# Altium PCB ZYNQ-7000_SOM_Bd.PcbDoc (part 2 of 6)
Units mm, origin at the board's own origin, x right, y up, seen from the top; angles counter-clockwise.
Board outline 69.6 x 45 mm, 8 copper layers (L1 (Sig), L2 (GND), L3 (PWR), L4 (Sig), L5 (GND), L6 (Sig), L7 (GND), L8 (Sig)), stack 1.188 mm thick; 246 components, 201 nets, 1392 pads, 883 vias.
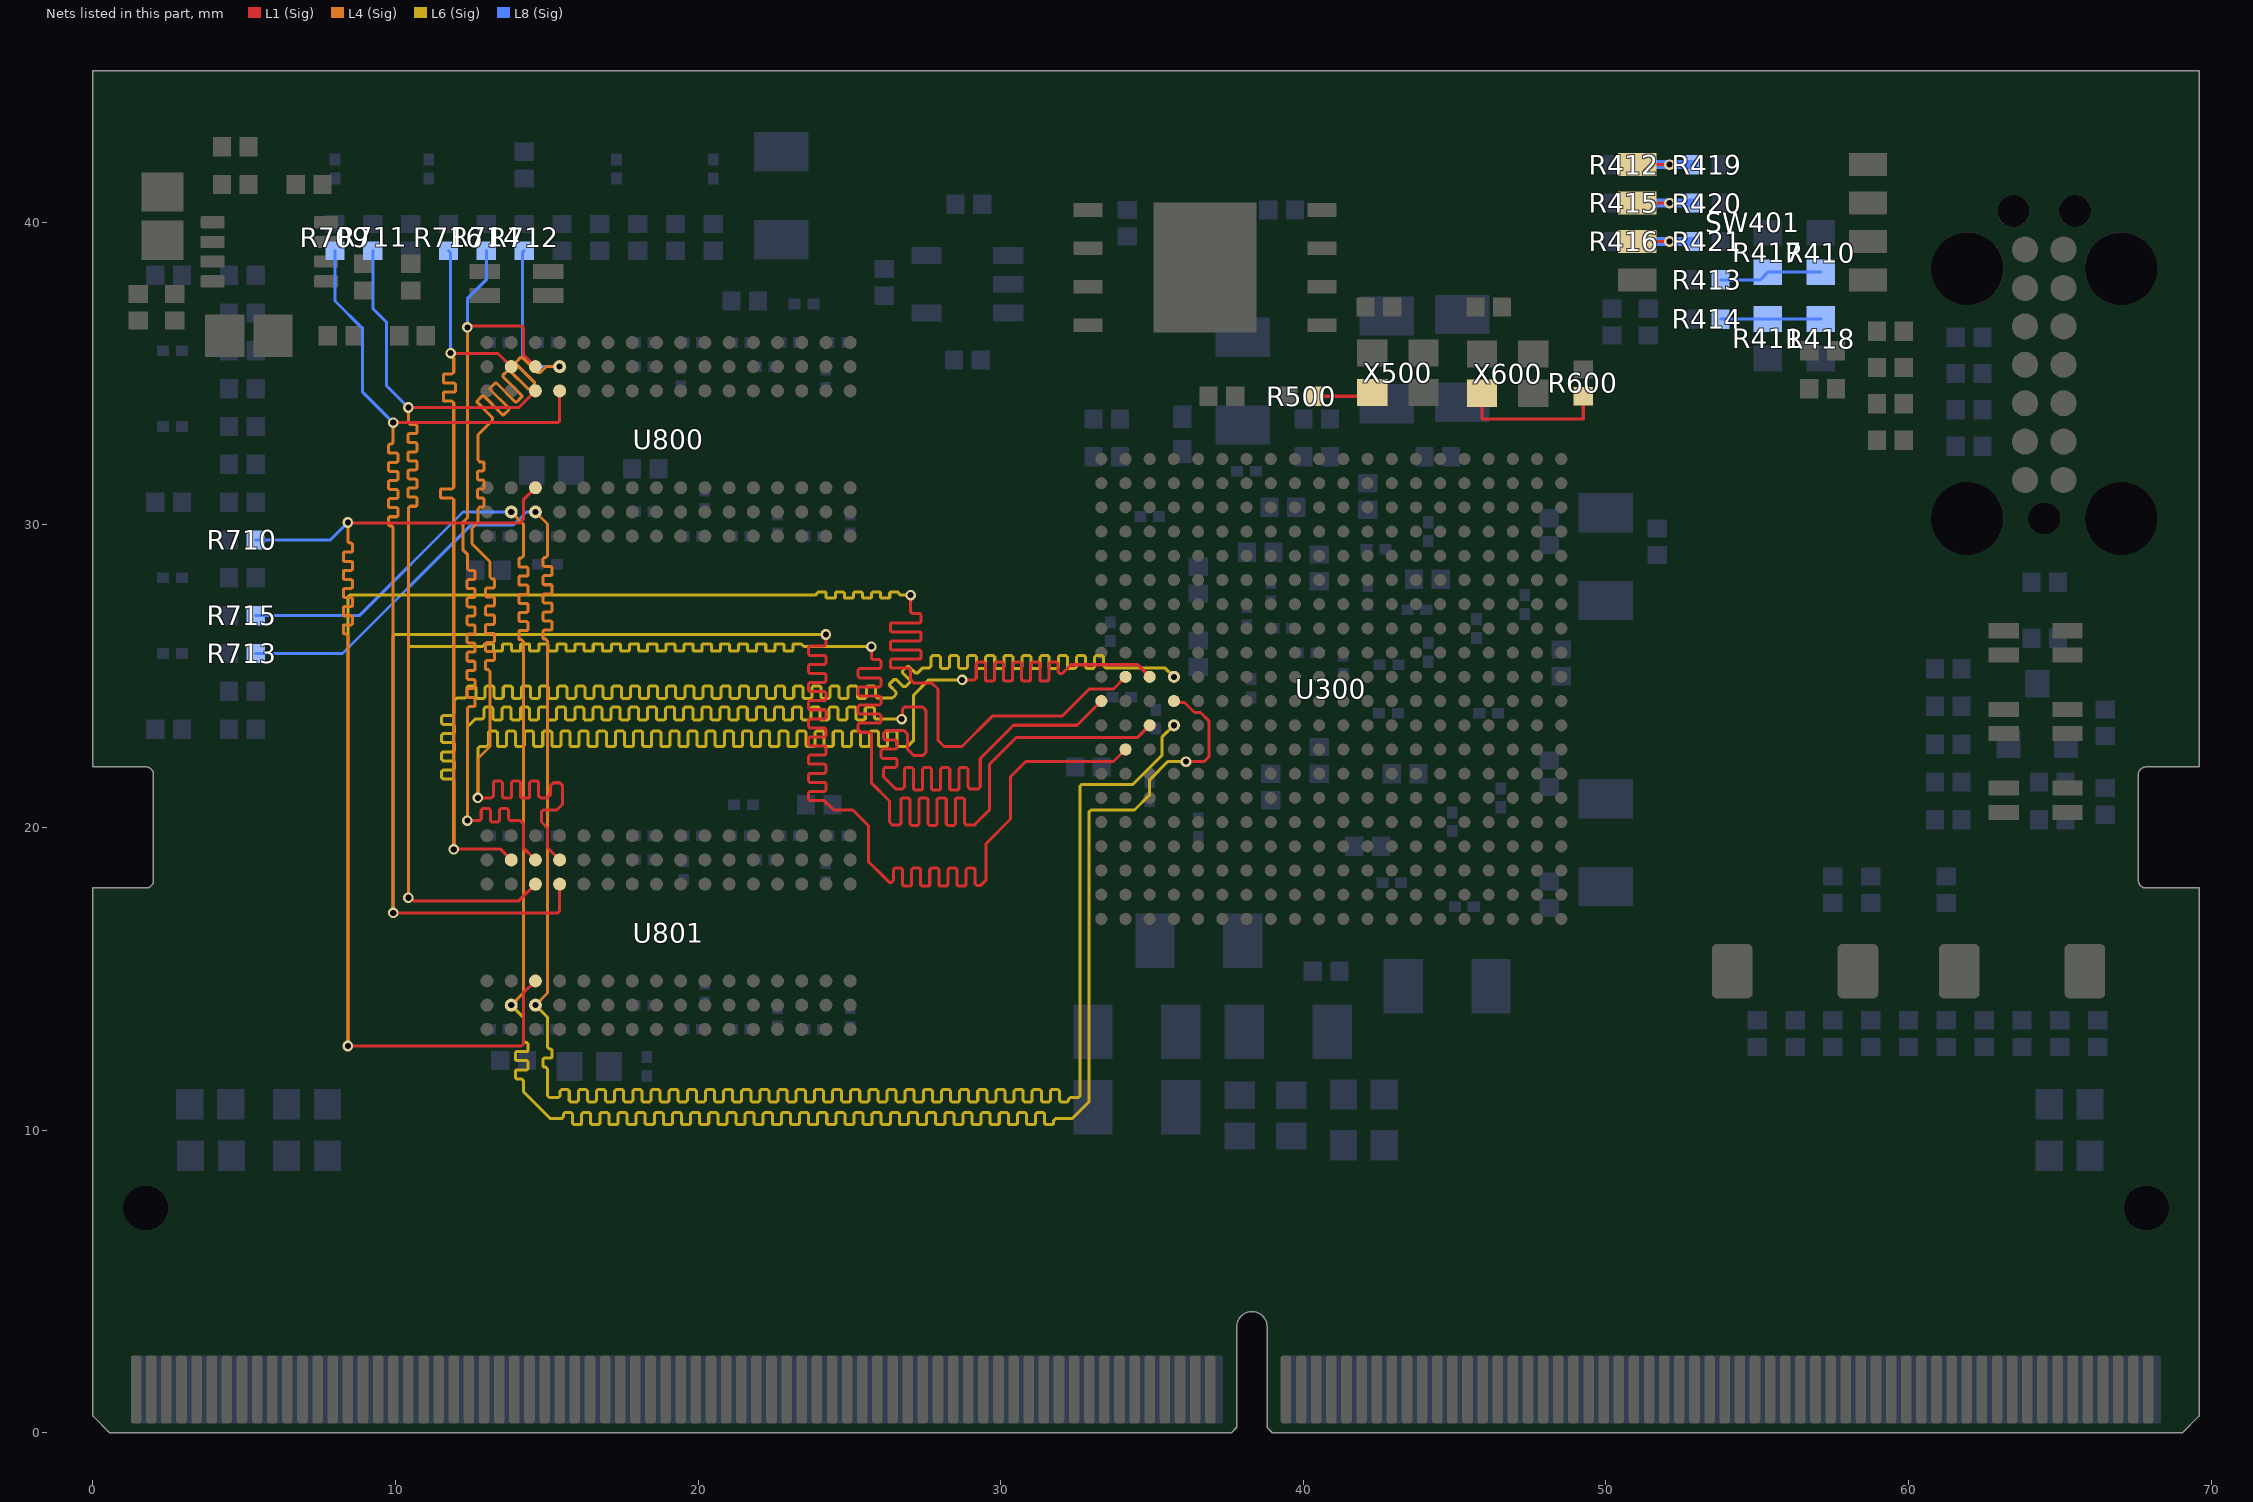
[diagram p8: the nets of this part, all layers, seen from the top]

## Part data
C300 C302 C303 C306 C307 C308 C313 C314 C315 C316 C319 C320 C321 C322 C327 C328 C333 C338 C339 C340 C341 C342 C343 C344 C345 C704 C705 C706 C707 C803 C814 C827 C838: library part CAP_470nF/6.3V/0603, "6.3V 470nF X5R ±10% 0201  Multilayer Ceramic Capacitors MLCC - SMD/SMT ROHS", JLCPCB Part Type="Extended Part", LCSC Part #=C85926
C301 C305 C309 C312 C317 C323 C326 C329 C332 C336 C337 C346 C347 C505 C601 C708 C709 C710 C711 C713 C717 C718 C719 C802 C813 C826 C837: library part CAP_4.7uF/10V/1005, "10V 4.7uF X5R ±20% 0402  Multilayer Ceramic Capacitors MLCC - SMD/SMT ROHS", JLCPCB Part Type="Basic Part", LCSC Part #=C23733
C304 C310 C311 C318 C324 C325 C330 C331 C334 C335 C348: library part CAP_100uF/6.3V/3216, "Ceramic CAP_100uF/6.3V/3216", JLCPCB Part Type="Basic Part", LCSC Part #=C15008
C400 C401 C500 C501 C502 C503 C504 C600: library part CAP_100nF/16V/1005, "Ceramic CAP_100nF/16V/1005", JLCPCB Part Type="Basic Part", LCSC Part #=C1525
C700 C701 C702 C703 C715 C716 C800 C801 C804 C805 C806 C807 C808 C809 C810 C811 C812 C815 C816 C817 C818 C819 C820 C821 C822 C823 C824 C825 C828 C829 C830 C831 C832 C833 C834 C835 C836 C839 C840 C841 C842 C843 C844 C845 C846 C847: library part CAP_47nF/16V/0603, "16V 47nF X5R ±10% 0201 Multilayer Ceramic Capacitors MLCC - SMD/SMT ROHS", JLCPCB Part Type="Extended Part", LCSC Part #=C88917
C712 C714: library part CAP_22uF/25V/2012, "Ceramic CAP_22uF/25V/2012", JLCPCB Part Type="Basic Part", LCSC Part #=C45783
C901 C903 C905 C907 C913: library part CAP_100nF/50V/1608, "Ceramic CAP_100nF/50V/1608", JLCPCB Part Type="Basic Part", LCSC Part #=C14663
C908 C909 C910 C911 C914: library part CAP_10uF/25V/1608, "Ceramic CAP_10uF/25V/1608", JLCPCB Part Type="Basic Part", LCSC Part #=C96446
CN400: library part CON_TC2070-IDC(JTAG-HS3), "TC2070 14-pin Plug-of-Nails™ (with legs) to 14 pin 2mm female IDC connector."
CN900: library part CON_EDGE-CONNECTOR_DDR4-SODIMM-260P, "EDGE-CONNECTOR_DDR4-SODIMM-260P", Mating Part Number=2309409-1
ESD400 ESD401 ESD402 ESD403: library part ESD_CG0402MLU-3.3G, "Varistor 1 Circuit Surface Mount, MLCV 0402 (1005 Metric)", JLCPCB Part Type="Extended Part", LCSC Part #=C2655393
FB300: library part FB_BLM15PX121SN1D, "55mΩ ±25% 120Ω@100MHz 0402  Ferrite Beads ROHS", JLCPCB Part Type="Extended Part", LCSC Part #=C88970
LED400 LED900: library part LED_MHT170RGBCT(GREEN), "Colorless transparence -30℃~+85℃ Positive post Common anode RGB 120° 0805  Light Emitting Diodes (LED) ROHS", JLCPCB Part Type="Extended Part", LCSC Part #=C2962094
LED501 LED600: library part LED_RGB_MHT170RGBCT, "Colorless transparence -30℃~+85℃ Positive post Common anode RGB 120° 0805  Light Emitting Diodes (LED) ROHS", JLCPCB Part Type="Extended Part", LCSC Part #=C2962094
Q400: library part FET_2N7002, "60V 115mA 200mW 7.5Ω@10V,500mA N Channel SOT-23  MOSFETs ROHS", JLCPCB Part Type="Basic Part", LCSC Part #=C8545
R400 R401 R402 R403 R404 R505 R726: library part RES_4.7K/1005/62.5mW, "RES_4.7K/1005/62.5mW", JLCPCB Part Type="Basic Part", LCSC Part #=C25900, Power Rating=62.5mW, Precision=1%, Size=1005
R405 R406 R407 R408 R500 R502 R600: library part RES_22R/1005/62.5mW, "RES_22R/1005/62.5mW", JLCPCB Part Type="Basic Part", LCSC Part #=C25092, Power Rating=62.5mW, Precision=1%, Size=1005
R409 R910: library part RES_510R/1005/62.5mW, "RES_510R/1005/62.5mW", JLCPCB Part Type="Basic Part", LCSC Part #=C25123, Power Rating=62.5mW, Precision=1%, Size=1005
R410 R411: library part RES_NC_0R/1608/0.1W, "0R/1608/0.1W/NC", Power Rating=0.1W, Precision=1%, Size=1608
R412 R413 R414 R415 R416 R513 R515: library part RES_20K/1005/62.5mW, "RES_20K/1005/62.5mW", JLCPCB Part Type="Basic Part", LCSC Part #=C25765, Power Rating=62.5mW, Precision=1%, Size=1005
R417 R418: library part RES_1K/1608/0.1W, "RES_1K/1608/0.1W", JLCPCB Part Type="Basic Part", LCSC Part #=C21190, Power Rating=0.1W, Precision=1%, Size=1608
R419 R420 R421 R604 R728: library part RES_1K/1005/62.5mW, "RES_1K/1005/62.5mW", JLCPCB Part Type="Basic Part", LCSC Part #=C11702, Power Rating=62.5mW, Precision=1%, Size=1005
R422 R501 R504 R725: library part RES_12K/1005/62.5mW, "RES_12K/1005/62.5mW", JLCPCB Part Type="Basic Part", LCSC Part #=C25752, Power Rating=62.5mW, Precision=1%, Size=1005
R503: library part RES_120R/1005/62.5mW, "RES_120R/1005/62.5mW", JLCPCB Part Type="Basic Part", LCSC Part #=C25079, Power Rating=62.5mW, Precision=1%, Size=1005
R508 R510 R512 R601 R602 R603: library part RES_470R/1005/62.5mW, "RES_470R/1005/62.5mW", JLCPCB Part Type="Basic Part", LCSC Part #=C25117, Power Rating=62.5mW, Precision=1%, Size=1005
R509: library part RES_NC_0R/1005/62.5mW, "RES_0R/1005/62.5mW/NC", Power Rating=62.5mW, Precision=1%, Size=1005
R511 R514: library part RES_NC_20K/1005/62.5mW, "RES_20K/1005/62.5mW/NC", Power Rating=62.5mW, Precision=1%, Size=1005
R700 R727 R729: library part RES_100R/1005/62.5mW, "RES_100R/1005/62.5mW", JLCPCB Part Type="Basic Part", LCSC Part #=C25076, Power Rating=62.5mW, Precision=1%, Size=1005
R701 R702 R703 R704 R705 R706 R707 R708 R709 R710 R711 R712 R713 R714 R715 R716 R717 R718 R719 R720 R721 R722 R723 R724: library part RES_49.9R/1005/62.5mW, "RES_49.9R/1005/62.5mW", JLCPCB Part Type="Basic Part", LCSC Part #=C25120, Power Rating=62.5mW, Precision=1%, Size=1005
R730: library part RES_100K/1005/62.5mW, "RES_100K/1005/62.5mW", JLCPCB Part Type="Basic Part", LCSC Part #=C25741, Power Rating=62.5mW, Precision=1%, Size=1005
R800 R801: library part RES_240R/1608/0.1W, "RES_240R/1608/0.1W", JLCPCB Part Type="Basic Part", LCSC Part #=C23350, Power Rating=0.1W, Precision=1%, Size=1608
R900 R901 R902 R903 R904 R905 R906 R907 R908 R909: library part RES_0R/1005/62.5mW, "RES_0R/1005/62.5mW", JLCPCB Part Type="Basic Part", LCSC Part #=C17168, Power Rating=62.5mW, Precision=1%, Size=1005
SW400 SW500: library part SW_TS-1088-AR02016, "NO 50mA 100MΩ 100000 Times 12V 160gf@±50gf Brick nogging SPST SMD  Tactile Switches ROHS", JLCPCB Part Type="Extended Part", LCSC Part #=C720477
SW401: library part SW_DSHP04TS-S, "4Bit SPST 24V 25mA Black 3千次 Slide (Standard),凹槽式 SMD-8P,5.4x6.7mm  DIP Switches ROHS", JLCPCB Part Type="Extended Part", LCSC Part #=C319050
U300: library part IC_SOC_XC7Z010-1CLG400I, "Dual ARM® Cortex®-A9 MPCore™ with CoreSight™ System On Chip (SOC) IC Zynq®-7000 Artix™-7 FPGA, 28K Logic Cells 766MHz 400-CSPBGA (17x17)", JLCPCB Part Type="Extended Part", LCSC Part #=C2840994
U500: library part IC_MEM_W25Q128JVEIQ, "3V 128M-BIT SERIAL FLASH MEMORY WITH DUAL/QUAD SPI & QPI & DTR WSON-8", JLCPCB Part Type="Extended Part", LCSC Part #=C401662, Manufacturer=Winbond, Manufacturer Part Number=W25Q128JVEIQ
U502: library part IC_BUF_SN74LVC1G07DBVT, "Single Buffer/Driver With Open-Drain Output / IC BUF NON-INVERT 5.5V SOT23-5", JLCPCB Part Type="Extended Part", LCSC Part #=C2867373
U701: library part IC_REG_VTT_BD3539FVM-TR, "1.0V to 5.5V, 1A 1ch / Termination Regulators for DDR-SDRAMs, 8-MSOP", JLCPCB Part Type="Extended Part", LCSC Part #=C213437
U800 U801: library part "IC_MEM_DDR3L_MT41K256M16TW-107 IT:P", "SDRAM - DDR3L Memory IC 4Gbit Parallel 933 MHz 20 ns 96-FBGA (8x14)", JLCPCB Part Type="Extended Part", LCSC Part #=C367428
X500: library part OSC_S2D33.333300B20F30T(33.33MHz), "3.3V ±20ppm CMOS 33.3333MHz SMD2520-4P  Oscillators ROHS", JLCPCB Part Type="Extended Part", LCSC Part #=C907622
X600: library part OSC_S2D50.000000B20F30T(50MHz), "3.3V 20mA ±30ppm CMOS 50MHz SMD2520-4P  Oscillators ROHS", JLCPCB Part Type="Extended Part", LCSC Part #=C907626

## Via types
v1: diameter 0.35, hole 0.2, L1 (Sig) to L8 (Sig), tented both sides, 876 vias
v2: diameter 0.45, hole 0.3, L1 (Sig) to L8 (Sig), tented both sides, 7 vias

## Nets (pads, with @x,y where several pads share a name; then routed paths per layer and width w, separated by ;. In a path a pad name is that pad's centre, name@x,y a point inside that pad or via, vN(x,y) a via of type N, cw(c..) or ccw(c..) an arc to the next point about the centre after c; other vN are vias at no path point)
BM0: R412.2 R419.2 SW401.1 | length 2.9
  L1 (Sig) w0.1: SW401.1@51.04,41.905 v1(52.1,41.905)
  L8 (Sig) w0.3: R412.2@51.04,41.905 v1(52.1,41.905) R419.2@52.91,41.905
BM1: R415.2 R420.2 SW401.2 | length 2.9
  L1 (Sig) w0.1: SW401.2@51.04,40.635 v1(52.1,40.635)
  L8 (Sig) w0.3: R415.2@51.04,40.635 v1(52.1,40.635) R420.2@52.91,40.635
BM2: R416.2 R421.2 SW401.3 | length 2.9
  L1 (Sig) w0.1: SW401.3@51.04,39.365 v1(52.1,39.365)
  L8 (Sig) w0.3: R416.2@51.04,39.365 v1(52.1,39.365) R421.2@52.91,39.365
BM3: R410.1 R413.2 R417.2 | length 3.4
  L8 (Sig) w0.1: R413.2@53.79,38.095 55.095,38.095 R417.2@55.35,38.35 R410.1@57.1,38.35
BM4: R411.1 R414.2 R418.2 | length 3.3
  L8 (Sig) w0.1: R414.2@53.79,36.8 R411.1@55.35,36.8 R418.2@57.1,36.8
CLK_33.33MHZ: R500.1 X500.3 | length 2
  L1 (Sig) w0.1: R500.1@40.38,34.25 42.273,34.25 X500.3@42.273,34.377
CLK_50MHZ: R600.1 X600.3 | length 5
  L1 (Sig) w0.1: X600.3@45.9,34.35 45.9,33.5 49.25,33.5 R600.1@49.25,34.25
DDR_A0: R709.1 U300.N2 U800.N3 U801.N3 | length 96.8
  L1 (Sig) w0.1: v1(9.923,17.177) 15.364,17.177 15.423,17.236 U801.N3@15.423,18.127 ; v1(9.923,33.377) 15.364,33.377 15.423,33.436 U800.N3@15.423,34.427 ; 24.223,20.781 24.223,20.831 ; v1(24.223,26.377) 24.223,26.186 24.223,26.048 24.164,25.99 23.688,25.99 23.643,25.945 23.643,25.735 23.688,25.69 24.181,25.69 24.226,25.645 24.226,25.435 24.181,25.39 23.688,25.39 23.643,25.345 23.643,25.135 23.688,25.09 24.181,25.09 24.226,25.045 24.226,24.835 24.181,24.79 23.688,24.79 23.643,24.745 23.643,24.535 23.688,24.49 24.181,24.49 24.226,24.445 24.226,24.235 24.181,24.19 23.688,24.19 23.643,24.145 23.643,23.935 23.688,23.89 24.181,23.89 24.226,23.845 24.226,23.635 24.181,23.59 23.688,23.59 23.643,23.545 23.643,23.335 23.688,23.29 24.181,23.29 24.226,23.245 24.226,23.035 24.181,22.99 23.688,22.99 23.643,22.945 23.643,22.735 23.688,22.69 24.181,22.69 24.226,22.645 24.226,22.435 24.181,22.39 23.688,22.39 23.643,22.345 23.643,22.135 23.688,22.09 24.181,22.09 24.226,22.045 24.226,21.835 24.181,21.79 23.688,21.79 23.643,21.745 23.643,21.535 23.688,21.49 24.181,21.49 24.226,21.445 24.226,21.235 24.181,21.19 23.688,21.19 23.643,21.145 23.643,20.935 23.688,20.89 24.164,20.89 24.223,20.831 ; U300.N2@34.123,22.577 33.723,22.177 30.823,22.177 30.323,21.677 30.323,20.277 29.517,19.471 29.517,18.271 29.504,18.258 29.323,18.077 29.212,18.077 29.153,18.136 29.153,18.609 29.108,18.654 28.898,18.654 28.853,18.609 28.853,18.106 28.808,18.061 28.598,18.061 28.553,18.106 28.553,18.609 28.508,18.654 28.298,18.654 28.253,18.609 28.253,18.106 28.208,18.061 27.998,18.061 27.953,18.106 27.953,18.609 27.908,18.654 27.698,18.654 27.653,18.609 27.653,18.106 27.608,18.061 27.398,18.061 27.353,18.106 27.353,18.609 27.309,18.654 27.098,18.654 27.053,18.609 27.053,18.106 27.009,18.061 26.798,18.061 26.753,18.106 26.753,18.609 26.709,18.654 26.498,18.654 26.454,18.609 26.454,18.246 26.395,18.188 26.312,18.188 26.147,18.353 25.623,18.877 25.623,20.067 25.113,20.577 24.477,20.577 24.223,20.831
  L4 (Sig) w0.1: v1(9.923,17.177) 9.923,29.86 9.923,29.91 9.864,29.968 9.803,29.968 9.773,29.998 9.773,30.238 9.803,30.268 10.043,30.268 10.073,30.298 10.073,30.538 10.043,30.568 9.803,30.568 9.773,30.598 9.773,30.838 9.803,30.868 10.043,30.868 10.073,30.898 10.073,31.138 10.043,31.168 9.803,31.168 9.773,31.198 9.773,31.438 9.803,31.468 10.043,31.468 10.073,31.498 10.073,31.738 10.043,31.768 9.803,31.768 9.773,31.798 9.773,32.038 9.803,32.068 10.043,32.068 10.073,32.098 10.073,32.338 10.043,32.368 9.803,32.368 9.773,32.398 9.773,32.638 9.803,32.668 9.864,32.668 9.923,32.727 9.923,32.977 v1(9.923,33.377)
  L6 (Sig) w0.1: v1(9.923,17.177) 9.923,26.319 9.981,26.377 v1(24.223,26.377)
  L8 (Sig) w0.1: R709.1@8,39.06 8,37.4 8.9,36.5 8.9,34.4 v1(9.923,33.377)
DDR_A1: R710.1 U300.K2 U800.P7 U801.P7 | length 91.7
  L1 (Sig) w0.1: v1(8.423,12.777) 14.164,12.777 14.223,12.836 14.223,14.527 U801.P7@14.623,14.927 ; v1(8.423,30.077) 8.438,30.062 14.108,30.062 14.223,30.177 14.223,30.827 U800.P7@14.623,31.227 ; v1(27.023,27.677) 27.023,27.377 27.023,27.122 27.081,27.063 27.331,27.063 27.361,27.033 27.361,26.793 27.331,26.763 26.393,26.763 26.363,26.733 26.363,26.493 26.393,26.463 27.331,26.463 27.361,26.433 27.361,26.193 27.331,26.163 26.393,26.163 26.363,26.133 26.363,25.893 26.393,25.863 27.331,25.863 27.361,25.833 27.361,25.593 27.331,25.563 26.393,25.563 26.363,25.533 26.363,25.293 26.393,25.263 26.964,25.263 27.023,25.205 27.023,25.155 27.023,24.877 27.123,24.777 27.723,24.777 27.923,24.577 27.923,22.877 28.123,22.677 28.723,22.677 29.723,23.677 32.023,23.677 32.923,24.577 33.723,24.577 U300.K2@34.123,24.977
  L4 (Sig) w0.1: v1(8.423,12.777) 8.423,26.287 8.423,26.337 8.364,26.396 8.303,26.396 8.273,26.426 8.273,26.666 8.303,26.696 8.543,26.696 8.573,26.726 8.573,26.966 8.543,26.996 8.303,26.996 8.273,27.026 8.273,27.266 8.303,27.296 8.543,27.296 8.573,27.326 8.573,27.566 8.543,27.596 8.303,27.596 8.273,27.626 8.273,27.866 8.303,27.896 8.543,27.896 8.573,27.926 8.573,28.166 8.543,28.196 8.303,28.196 8.273,28.226 8.273,28.466 8.303,28.496 8.543,28.496 8.573,28.526 8.573,28.766 8.543,28.796 8.303,28.796 8.273,28.826 8.273,29.066 8.303,29.096 8.543,29.096 8.573,29.126 8.573,29.366 8.543,29.396 8.481,29.396 8.423,29.454 8.423,29.677 v1(8.423,30.077)
  L6 (Sig) w0.1: v1(8.423,12.777) 8.423,27.619 8.481,27.677 23.823,27.677 23.873,27.677 23.931,27.736 23.931,27.747 23.961,27.777 24.201,27.777 24.231,27.747 24.231,27.607 24.261,27.577 24.501,27.577 24.531,27.607 24.531,27.747 24.561,27.777 24.801,27.777 24.831,27.747 24.831,27.607 24.861,27.577 25.101,27.577 25.131,27.607 25.131,27.747 25.161,27.777 25.401,27.777 25.431,27.747 25.431,27.607 25.461,27.577 25.701,27.577 25.731,27.607 25.731,27.747 25.761,27.777 26.001,27.777 26.031,27.747 26.031,27.607 26.061,27.577 26.301,27.577 26.331,27.607 26.331,27.747 26.361,27.777 26.601,27.777 26.631,27.747 26.631,27.736 26.69,27.677 26.917,27.677 v1(27.023,27.677)
  L8 (Sig) w0.1: R710.1@5.38,29.5 7.846,29.5 v1(8.423,30.077)
DDR_A2: R711.1 U300.M3 U800.P3 U801.P3 | length 93.4
  L1 (Sig) w0.1: v1(10.423,17.677) 10.49,17.677 10.59,17.577 14.073,17.577 U801.P3@14.623,18.127 ; v1(10.423,33.877) 14.073,33.877 U800.P3@14.623,34.427 ; v1(25.723,25.977) 25.723,25.783 25.723,25.605 25.781,25.547 25.996,25.547 26.041,25.502 26.041,25.292 25.996,25.247 25.33,25.247 25.285,25.202 25.285,24.992 25.33,24.947 25.996,24.947 26.041,24.902 26.041,24.692 25.996,24.647 25.33,24.647 25.285,24.602 25.285,24.392 25.33,24.347 25.996,24.347 26.041,24.302 26.041,24.092 25.996,24.047 25.33,24.047 25.285,24.002 25.285,23.792 25.33,23.747 25.996,23.747 26.041,23.702 26.041,23.492 25.996,23.447 25.33,23.447 25.285,23.402 25.285,23.192 25.33,23.147 25.664,23.147 25.723,23.088 25.723,23.038 25.723,21.477 26.323,20.877 26.323,20.177 26.423,20.077 26.484,20.077 26.64,20.077 26.699,20.136 26.699,20.932 26.744,20.977 26.954,20.977 26.999,20.932 26.999,20.113 27.044,20.068 27.254,20.068 27.299,20.113 27.299,20.932 27.344,20.977 27.554,20.977 27.599,20.932 27.599,20.113 27.644,20.068 27.854,20.068 27.899,20.113 27.899,20.932 27.944,20.977 28.154,20.977 28.199,20.932 28.199,20.113 28.244,20.068 28.454,20.068 28.499,20.113 28.499,20.932 28.544,20.977 28.754,20.977 28.799,20.932 28.799,20.136 28.857,20.077 29.123,20.077 29.207,20.162 29.623,20.577 29.623,22.077 30.523,22.977 34.523,22.977 U300.M3@34.923,23.377
  L4 (Sig) w0.1: v1(10.423,17.677) 10.423,30.207 10.423,30.557 10.481,30.615 10.679,30.615 10.709,30.645 10.709,30.885 10.679,30.915 10.438,30.915 10.408,30.945 10.408,31.185 10.438,31.215 10.679,31.215 10.709,31.245 10.709,31.485 10.679,31.515 10.438,31.515 10.408,31.545 10.408,31.785 10.438,31.815 10.679,31.815 10.709,31.845 10.709,32.085 10.679,32.115 10.438,32.115 10.408,32.145 10.408,32.385 10.438,32.415 10.679,32.415 10.709,32.445 10.709,32.685 10.679,32.715 10.438,32.715 10.408,32.745 10.408,32.985 10.438,33.015 10.679,33.015 10.709,33.045 10.709,33.285 10.679,33.315 10.481,33.315 10.423,33.374 10.423,33.477 v1(10.423,33.877)
  L6 (Sig) w0.1: v1(10.423,17.677) 10.423,25.919 10.481,25.977 12.825,25.977 12.875,25.977 12.933,26.036 12.933,26.04 12.963,26.07 13.203,26.07 13.233,26.04 13.233,25.857 13.263,25.827 13.503,25.827 13.533,25.857 13.533,26.04 13.563,26.07 13.803,26.07 13.833,26.04 13.833,25.857 13.863,25.827 14.103,25.827 14.133,25.857 14.133,26.04 14.163,26.07 14.403,26.07 14.433,26.04 14.433,25.857 14.463,25.827 14.703,25.827 14.733,25.857 14.733,26.04 14.763,26.07 15.003,26.07 15.033,26.04 15.033,25.857 15.063,25.827 15.303,25.827 15.333,25.857 15.333,26.04 15.363,26.07 15.603,26.07 15.633,26.04 15.633,25.857 15.663,25.827 15.903,25.827 15.933,25.857 15.933,26.04 15.963,26.07 16.203,26.07 16.233,26.04 16.233,25.857 16.263,25.827 16.503,25.827 16.533,25.857 16.533,26.04 16.563,26.07 16.803,26.07 16.833,26.04 16.833,25.857 16.863,25.827 17.103,25.827 17.133,25.857 17.133,26.04 17.163,26.07 17.403,26.07 17.433,26.04 17.433,25.857 17.463,25.827 17.703,25.827 17.733,25.857 17.733,26.04 17.763,26.07 18.003,26.07 18.033,26.04 18.033,25.857 18.063,25.827 18.303,25.827 18.333,25.857 18.333,26.04 18.363,26.07 18.603,26.07 18.633,26.04 18.633,25.857 18.663,25.827 18.903,25.827 18.933,25.857 18.933,26.04 18.963,26.07 19.203,26.07 19.233,26.04 19.233,25.857 19.263,25.827 19.503,25.827 19.533,25.857 19.533,26.04 19.563,26.07 19.803,26.07 19.833,26.04 19.833,25.857 19.863,25.827 20.103,25.827 20.133,25.857 20.133,26.04 20.163,26.07 20.403,26.07 20.433,26.04 20.433,25.857 20.463,25.827 20.703,25.827 20.733,25.857 20.733,26.04 20.763,26.07 21.003,26.07 21.033,26.04 21.033,25.857 21.063,25.827 21.303,25.827 21.333,25.857 21.333,26.04 21.363,26.07 21.603,26.07 21.633,26.04 21.633,25.857 21.663,25.827 21.903,25.827 21.933,25.857 21.933,26.04 21.963,26.07 22.203,26.07 22.233,26.04 22.233,25.857 22.263,25.827 22.503,25.827 22.533,25.857 22.533,26.04 22.563,26.07 22.803,26.07 22.833,26.04 22.833,25.857 22.863,25.827 23.103,25.827 23.133,25.857 23.133,26.04 23.163,26.07 23.403,26.07 23.433,26.04 23.433,26.036 23.492,25.977 23.663,25.977 v1(25.723,25.977)
  L8 (Sig) w0.1: R711.1@9.25,39.06 9.25,37.15 9.7,36.7 9.7,34.6 v1(10.423,33.877)
DDR_A3: R712.1 U300.K3 U800.N2 U801.N2 | length 94
  L1 (Sig) w0.1: v1(12.723,20.977) 13.123,20.977 13.173,20.977 13.231,21.036 13.231,21.486 13.276,21.531 13.486,21.531 13.531,21.486 13.531,21.012 13.576,20.967 13.786,20.967 13.831,21.012 13.831,21.486 13.876,21.531 14.086,21.531 14.131,21.486 14.131,21.012 14.176,20.967 14.386,20.967 14.431,21.012 14.431,21.486 14.476,21.531 14.686,21.531 14.731,21.486 14.731,21.036 14.79,20.977 14.918,20.977 15.023,20.977 15.123,21.077 15.123,21.377 15.223,21.477 15.423,21.477 15.523,21.377 15.523,20.777 15.323,20.577 14.881,20.577 14.823,20.519 14.823,20.177 15.023,19.977 15.023,19.327 U801.N2@15.423,18.927 ; v1(28.723,24.877) 29.081,24.877 29.131,24.877 29.19,24.936 29.19,25.416 29.235,25.461 29.445,25.461 29.49,25.416 29.49,24.88 29.535,24.835 29.745,24.835 29.79,24.88 29.79,25.416 29.835,25.461 30.045,25.461 30.09,25.416 30.09,24.88 30.135,24.835 30.345,24.835 30.39,24.88 30.39,25.416 30.435,25.461 30.645,25.461 30.69,25.416 30.69,24.88 30.735,24.835 30.945,24.835 30.99,24.88 30.99,25.416 31.035,25.461 31.245,25.461 31.29,25.416 31.29,24.88 31.335,24.835 31.545,24.835 31.59,24.88 31.59,25.416 31.635,25.461 31.845,25.461 31.89,25.416 31.89,25.144 31.949,25.086 32.031,25.086 32.141,25.195 32.323,25.377 34.523,25.377 U300.K3@34.923,24.977
  L4 (Sig) w0.1: v1(12.723,20.977) 12.723,22.277 13.123,22.677 13.123,25.106 13.123,25.156 13.064,25.215 13.003,25.215 12.973,25.245 12.973,25.485 13.003,25.515 13.243,25.515 13.273,25.545 13.273,25.785 13.243,25.815 13.003,25.815 12.973,25.845 12.973,26.085 13.003,26.115 13.243,26.115 13.273,26.145 13.273,26.385 13.243,26.415 13.003,26.415 12.973,26.445 12.973,26.685 13.003,26.715 13.243,26.715 13.273,26.745 13.273,26.985 13.243,27.015 13.003,27.015 12.973,27.045 12.973,27.285 13.003,27.315 13.243,27.315 13.273,27.345 13.273,27.585 13.243,27.615 13.003,27.615 12.973,27.645 12.973,27.885 13.003,27.915 13.243,27.915 13.273,27.945 13.273,28.185 13.243,28.215 13.181,28.215 13.123,28.273 13.123,28.477 13.123,28.777 12.523,29.377 12.523,29.877 12.723,30.077 12.723,30.175 12.723,30.525 12.781,30.583 12.895,30.583 12.925,30.613 12.925,30.853 12.895,30.883 12.736,30.883 12.706,30.913 12.706,31.153 12.736,31.183 12.895,31.183 12.925,31.213 12.925,31.453 12.895,31.483 12.736,31.483 12.706,31.513 12.706,31.753 12.736,31.783 12.895,31.783 12.925,31.813 12.925,32.053 12.895,32.083 12.781,32.083 12.723,32.142 12.723,32.782 12.723,32.977 13.171,33.425 13.206,33.46 13.206,33.543 12.698,34.051 12.698,34.094 12.868,34.263 12.91,34.263 13.535,33.638 13.578,33.638 13.748,33.808 13.748,33.85 13.123,34.475 13.123,34.518 13.292,34.687 13.335,34.687 13.96,34.063 14.002,34.063 14.172,34.232 14.172,34.275 13.547,34.9 13.547,34.942 13.717,35.112 13.759,35.112 14.384,34.487 14.426,34.487 14.596,34.657 14.596,34.699 13.971,35.324 13.971,35.366 14.141,35.536 14.183,35.536 14.691,35.028 14.774,35.028 14.972,35.226 ; 14.973,35.227 v1(15.423,35.227)
  L6 (Sig) w0.1: v1(12.723,20.977) 12.723,22.619 12.781,22.677 12.956,22.677 13.006,22.677 13.064,22.736 13.064,23.145 13.109,23.19 13.319,23.19 13.364,23.145 13.364,22.713 13.409,22.668 13.619,22.668 13.664,22.713 13.664,23.145 13.709,23.19 13.919,23.19 13.964,23.145 13.964,22.713 14.009,22.668 14.219,22.668 14.264,22.713 14.264,23.145 14.309,23.19 14.519,23.19 14.564,23.145 14.564,22.713 14.609,22.668 14.819,22.668 14.864,22.713 14.864,23.145 14.909,23.19 15.119,23.19 15.164,23.145 15.164,22.713 15.209,22.668 15.419,22.668 15.464,22.713 15.464,23.145 15.509,23.19 15.719,23.19 15.764,23.145 15.764,22.713 15.809,22.668 16.019,22.668 16.064,22.713 16.064,23.145 16.109,23.19 16.319,23.19 16.364,23.145 16.364,22.713 16.409,22.668 16.619,22.668 16.664,22.713 16.664,23.145 16.709,23.19 16.919,23.19 16.964,23.145 16.964,22.713 17.009,22.668 17.219,22.668 17.264,22.713 17.264,23.145 17.309,23.19 17.519,23.19 17.564,23.145 17.564,22.713 17.609,22.668 17.819,22.668 17.864,22.713 17.864,23.145 17.909,23.19 18.119,23.19 18.164,23.145 18.164,22.713 18.209,22.668 18.419,22.668 18.464,22.713 18.464,23.145 18.509,23.19 18.719,23.19 18.764,23.145 18.764,22.713 18.809,22.668 19.019,22.668 19.064,22.713 19.064,23.145 19.109,23.19 19.319,23.19 19.364,23.145 19.364,22.713 19.409,22.668 19.619,22.668 19.664,22.713 19.664,23.145 19.709,23.19 19.919,23.19 19.964,23.145 19.964,22.713 20.009,22.668 20.219,22.668 20.264,22.713 20.264,23.145 20.309,23.19 20.519,23.19 20.564,23.145 20.564,22.713 20.609,22.668 20.819,22.668 20.864,22.713 20.864,23.145 20.909,23.19 21.119,23.19 21.164,23.145 21.164,22.713 21.209,22.668 21.419,22.668 21.464,22.713 21.464,23.145 21.509,23.19 21.719,23.19 21.764,23.145 21.764,22.713 21.809,22.668 22.019,22.668 22.064,22.713 22.064,23.145 22.109,23.19 22.319,23.19 22.364,23.145 22.364,22.713 22.409,22.668 22.619,22.668 22.664,22.713 22.664,23.145 22.709,23.19 22.919,23.19 22.964,23.145 22.964,22.713 23.009,22.668 23.219,22.668 23.264,22.713 23.264,23.145 23.309,23.19 23.519,23.19 23.564,23.145 23.564,22.713 23.609,22.668 23.819,22.668 23.864,22.713 23.864,23.145 23.909,23.19 24.119,23.19 24.164,23.145 24.164,22.713 24.209,22.668 24.419,22.668 24.464,22.713 24.464,23.145 24.509,23.19 24.719,23.19 24.764,23.145 24.764,22.713 24.809,22.668 25.019,22.668 25.064,22.713 25.064,23.145 25.109,23.19 25.319,23.19 25.364,23.145 25.364,22.713 25.409,22.668 25.619,22.668 25.664,22.713 25.664,23.145 25.709,23.19 25.919,23.19 25.964,23.145 25.964,22.713 26.009,22.668 26.219,22.668 26.264,22.713 26.264,23.145 26.309,23.19 26.519,23.19 26.564,23.145 26.564,22.736 26.623,22.677 26.83,22.677 26.923,22.677 27.123,22.877 27.123,24.377 27.623,24.877 v1(28.723,24.877)
  L8 (Sig) w0.1: R712.1@14.25,39.06 14.2,39.01 14.2,35.6 14.573,35.227 v1(15.423,35.227)
DDR_A4: R713.1 U300.M4 U800.P8 U801.P8 | length 85.4
  L4 (Sig) w0.1: v1(14.623,14.127) 15.023,14.527 15.023,26.112 15.023,26.162 14.964,26.221 14.903,26.221 14.873,26.251 14.873,26.491 14.903,26.521 15.143,26.521 15.173,26.551 15.173,26.791 15.143,26.821 14.903,26.821 14.873,26.851 14.873,27.091 14.903,27.121 15.143,27.121 15.173,27.151 15.173,27.391 15.143,27.421 14.903,27.421 14.873,27.451 14.873,27.691 14.903,27.721 15.143,27.721 15.173,27.751 15.173,27.991 15.143,28.021 14.903,28.021 14.873,28.051 14.873,28.291 14.903,28.321 15.143,28.321 15.173,28.351 15.173,28.591 15.143,28.621 14.903,28.621 14.873,28.651 14.873,28.891 14.903,28.921 14.964,28.921 15.023,28.98 15.023,29.177 15.023,30.027 v1(14.623,30.427)
  L6 (Sig) w0.1: v1(14.623,14.127) 15.023,13.727 15.023,12.786 15.023,12.735 15.081,12.677 15.143,12.677 15.173,12.647 15.173,12.407 15.143,12.377 14.903,12.377 14.873,12.347 14.873,12.107 14.903,12.077 14.964,12.077 15.023,12.018 15.023,11.677 15.023,11.136 15.081,11.077 15.331,11.077 15.381,11.077 15.44,11.136 15.44,11.287 15.485,11.332 15.695,11.332 15.74,11.287 15.74,10.975 15.785,10.93 15.995,10.93 16.04,10.975 16.04,11.287 16.085,11.332 16.295,11.332 16.34,11.287 16.34,10.975 16.385,10.93 16.595,10.93 16.64,10.975 16.64,11.287 16.685,11.332 16.895,11.332 16.94,11.287 16.94,10.975 16.985,10.93 17.195,10.93 17.24,10.975 17.24,11.287 17.285,11.332 17.495,11.332 17.54,11.287 17.54,10.975 17.585,10.93 17.795,10.93 17.84,10.975 17.84,11.287 17.885,11.332 18.095,11.332 18.14,11.287 18.14,10.975 18.185,10.93 18.395,10.93 18.44,10.975 18.44,11.287 18.485,11.332 18.695,11.332 18.74,11.287 18.74,10.975 18.785,10.93 18.995,10.93 19.04,10.975 19.04,11.287 19.085,11.332 19.295,11.332 19.34,11.287 19.34,10.975 19.385,10.93 19.595,10.93 19.64,10.975 19.64,11.287 19.685,11.332 19.895,11.332 19.94,11.287 19.94,10.975 19.985,10.93 20.195,10.93 20.24,10.975 20.24,11.287 20.285,11.332 20.495,11.332 20.54,11.287 20.54,10.975 20.585,10.93 20.795,10.93 20.84,10.975 20.84,11.287 20.885,11.332 21.095,11.332 21.14,11.287 21.14,10.975 21.185,10.93 21.395,10.93 21.44,10.975 21.44,11.287 21.485,11.332 21.695,11.332 21.74,11.287 21.74,10.975 21.785,10.93 21.995,10.93 22.04,10.975 22.04,11.287 22.085,11.332 22.295,11.332 22.34,11.287 22.34,10.975 22.385,10.93 22.595,10.93 22.64,10.975 22.64,11.287 22.685,11.332 22.895,11.332 22.94,11.287 22.94,10.975 22.985,10.93 23.195,10.93 23.24,10.975 23.24,11.287 23.285,11.332 23.495,11.332 23.54,11.287 23.54,10.975 23.585,10.93 23.795,10.93 23.84,10.975 23.84,11.287 23.885,11.332 24.095,11.332 24.14,11.287 24.14,10.975 24.185,10.93 24.395,10.93 24.44,10.975 24.44,11.287 24.485,11.332 24.695,11.332 24.74,11.287 24.74,10.975 24.785,10.93 24.995,10.93 25.04,10.975 25.04,11.287 25.085,11.332 25.295,11.332 25.34,11.287 25.34,10.975 25.385,10.93 25.595,10.93 25.64,10.975 25.64,11.287 25.685,11.332 25.895,11.332 25.94,11.287 25.94,10.975 25.985,10.93 26.195,10.93 26.24,10.975 26.24,11.287 26.285,11.332 26.495,11.332 26.54,11.287 26.54,10.975 26.585,10.93 26.795,10.93 26.84,10.975 26.84,11.287 26.885,11.332 27.095,11.332 27.14,11.287 27.14,10.975 27.185,10.93 27.395,10.93 27.44,10.975 27.44,11.287 27.485,11.332 27.695,11.332 27.74,11.287 27.74,10.975 27.785,10.93 27.995,10.93 28.04,10.975 28.04,11.287 28.085,11.332 28.295,11.332 28.34,11.287 28.34,10.975 28.385,10.93 28.595,10.93 28.64,10.975 28.64,11.287 28.685,11.332 28.895,11.332 28.94,11.287 28.94,10.975 28.985,10.93 29.195,10.93 29.24,10.975 29.24,11.287 29.285,11.332 29.495,11.332 29.54,11.287 29.54,10.975 29.585,10.93 29.795,10.93 29.84,10.975 29.84,11.287 29.885,11.332 30.095,11.332 30.14,11.287 30.14,10.975 30.185,10.93 30.395,10.93 30.44,10.975 30.44,11.287 30.485,11.332 30.695,11.332 30.74,11.287 30.74,10.975 30.785,10.93 30.995,10.93 31.04,10.975 31.04,11.287 31.085,11.332 31.295,11.332 31.34,11.287 31.34,10.975 31.385,10.93 31.595,10.93 31.64,10.975 31.64,11.287 31.685,11.332 31.895,11.332 31.94,11.287 31.94,10.975 31.985,10.93 32.195,10.93 32.24,10.975 32.24,11.019 32.299,11.077 32.53,11.077 32.564,11.077 32.623,11.136 32.623,21.367 32.681,21.425 34.371,21.425 35.323,22.377 35.323,22.977 v1(35.723,23.377)
  L8 (Sig) w0.1: R713.1@5.38,25.75 8.25,25.75 12.5,30 13.9,30 14.327,30.427 v1(14.623,30.427)
DDR_A5: R714.1 U300.L1 U800.P2 U801.P2 | length 87.3
  L1 (Sig) w0.1: v1(12.371,20.225) 12.723,20.225 12.773,20.225 12.831,20.284 12.831,20.58 12.876,20.625 13.086,20.625 13.131,20.58 13.131,20.232 13.176,20.187 13.386,20.187 13.431,20.232 13.431,20.58 13.476,20.625 13.686,20.625 13.731,20.58 13.731,20.284 13.79,20.225 14.116,20.225 14.223,20.119 14.223,19.327 U801.P2@14.623,18.927 ; v1(12.371,36.529) 12.418,36.577 14.164,36.577 14.223,36.519 14.223,35.627 U800.P2@14.623,35.227 ; v1(26.723,23.577) 26.748,23.602 26.748,23.902 26.823,23.977 27.423,23.977 27.523,23.877 27.523,22.477 27.423,22.377 27.123,22.377 26.923,22.577 26.923,23.077 26.791,23.209 26.223,23.209 26.123,23.109 26.123,22.944 26.181,22.886 26.527,22.886 26.572,22.841 26.572,22.631 26.527,22.586 26.09,22.586 26.045,22.541 26.045,22.331 26.09,22.286 26.527,22.286 26.572,22.241 26.572,22.031 26.527,21.986 26.181,21.986 26.123,21.927 26.123,21.677 26.223,21.577 26.523,21.277 26.527,21.277 26.756,21.277 26.814,21.336 26.814,21.932 26.859,21.977 27.069,21.977 27.114,21.932 27.114,21.276 27.159,21.231 27.369,21.231 27.414,21.276 27.414,21.932 27.459,21.977 27.669,21.977 27.714,21.932 27.714,21.276 27.759,21.231 27.969,21.231 28.014,21.276 28.014,21.932 28.059,21.977 28.269,21.977 28.314,21.932 28.314,21.276 28.359,21.231 28.569,21.231 28.614,21.276 28.614,21.932 28.659,21.977 28.869,21.977 28.914,21.932 28.914,21.336 28.973,21.277 29.264,21.277 29.323,21.336 29.323,22.277 30.423,23.377 32.523,23.377 U300.L1@33.323,24.177
  L4 (Sig) w0.1: v1(12.371,20.225) 12.371,23.584 12.371,23.934 12.429,23.992 12.597,23.992 12.627,24.022 12.627,24.262 12.597,24.292 12.395,24.292 12.365,24.322 12.365,24.562 12.395,24.592 12.597,24.592 12.627,24.622 12.627,24.862 12.597,24.892 12.395,24.892 12.365,24.922 12.365,25.162 12.395,25.192 12.597,25.192 12.627,25.222 12.627,25.462 12.597,25.492 12.395,25.492 12.365,25.522 12.365,25.762 12.395,25.792 12.597,25.792 12.627,25.822 12.627,26.062 12.597,26.092 12.395,26.092 12.365,26.122 12.365,26.362 12.395,26.392 12.597,26.392 12.627,26.422 12.627,26.662 12.597,26.692 12.395,26.692 12.365,26.722 12.365,26.962 12.395,26.992 12.597,26.992 12.627,27.022 12.627,27.262 12.597,27.292 12.395,27.292 12.365,27.322 12.365,27.562 12.395,27.592 12.597,27.592 12.627,27.622 12.627,27.862 12.597,27.892 12.395,27.892 12.365,27.922 12.365,28.162 12.395,28.192 12.597,28.192 12.627,28.222 12.627,28.462 12.597,28.492 12.429,28.492 12.371,28.551 12.371,28.881 12.371,29.029 12.223,29.177 12.223,30.077 12.371,30.225 v1(12.371,36.529)
  L6 (Sig) w0.1: v1(12.371,20.225) 12.371,20.6 ; 12.371,20.6 12.371,23.322 12.626,23.577 12.814,23.577 12.864,23.577 12.922,23.636 12.922,23.932 12.967,23.977 13.177,23.977 13.222,23.932 13.222,23.593 13.267,23.548 13.477,23.548 13.522,23.593 13.522,23.932 13.567,23.977 13.777,23.977 13.822,23.932 13.822,23.593 13.867,23.548 14.077,23.548 14.122,23.593 14.122,23.932 14.167,23.977 14.377,23.977 14.422,23.932 14.422,23.593 14.467,23.548 14.677,23.548 14.722,23.593 14.722,23.932 14.767,23.977 14.977,23.977 15.022,23.932 15.022,23.593 15.067,23.548 15.277,23.548 15.322,23.593 15.322,23.932 15.367,23.977 15.577,23.977 15.622,23.932 15.622,23.593 15.667,23.548 15.877,23.548 15.922,23.593 15.922,23.932 15.967,23.977 16.177,23.977 16.222,23.932 16.222,23.593 16.267,23.548 16.477,23.548 16.522,23.593 16.522,23.932 16.567,23.977 16.777,23.977 16.822,23.932 16.822,23.593 16.867,23.548 17.077,23.548 17.122,23.593 17.122,23.932 17.167,23.977 17.377,23.977 17.422,23.932 17.422,23.593 17.467,23.548 17.677,23.548 17.722,23.593 17.722,23.932 17.767,23.977 17.977,23.977 18.022,23.932 18.022,23.593 18.067,23.548 18.277,23.548 18.322,23.593 18.322,23.932 18.367,23.977 18.577,23.977 18.622,23.932 18.622,23.593 18.667,23.548 18.877,23.548 18.922,23.593 18.922,23.932 18.967,23.977 19.177,23.977 19.222,23.932 19.222,23.593 19.267,23.548 19.477,23.548 19.522,23.593 19.522,23.932 19.567,23.977 19.777,23.977 19.822,23.932 19.822,23.593 19.867,23.548 20.077,23.548 20.122,23.593 20.122,23.932 20.167,23.977 20.377,23.977 20.422,23.932 20.422,23.593 20.467,23.548 20.677,23.548 20.722,23.593 20.722,23.932 20.767,23.977 20.977,23.977 21.022,23.932 21.022,23.593 21.067,23.548 21.277,23.548 21.322,23.593 21.322,23.932 21.367,23.977 21.577,23.977 21.622,23.932 21.622,23.593 21.667,23.548 21.877,23.548 21.922,23.593 21.922,23.932 21.967,23.977 22.177,23.977 22.222,23.932 22.222,23.593 22.267,23.548 22.477,23.548 22.522,23.593 22.522,23.932 22.567,23.977 22.777,23.977 22.822,23.932 22.822,23.593 22.867,23.548 23.077,23.548 23.122,23.593 23.122,23.932 23.167,23.977 23.377,23.977 23.422,23.932 23.422,23.593 23.467,23.548 23.677,23.548 23.722,23.593 23.722,23.932 23.767,23.977 23.977,23.977 24.022,23.932 24.022,23.593 24.067,23.548 24.277,23.548 24.322,23.593 24.322,23.932 24.367,23.977 24.577,23.977 24.622,23.932 24.622,23.593 24.667,23.548 24.877,23.548 24.922,23.593 24.922,23.932 24.967,23.977 25.177,23.977 25.222,23.932 25.222,23.593 25.267,23.548 25.477,23.548 25.522,23.593 25.522,23.932 25.567,23.977 25.777,23.977 25.822,23.932 25.822,23.636 25.881,23.577 26.221,23.577 v1(26.723,23.577)
  L8 (Sig) w0.1: v1(12.371,36.529) 12.371,37.471 13,38.1 R714.1@13,39.06
DDR_A6: R715.1 U300.L4 U800.R8 U801.R8 | length 88.4
  L1 (Sig) w0.1: U300.L4@35.723,24.177 35.771,24.129 36.073,24.129 36.404,23.798 36.602,23.798 36.875,23.525 36.875,22.329 36.723,22.177 v1(36.123,22.177)
  L4 (Sig) w0.1: v1(13.823,14.127) 14.223,14.527 14.223,26.096 14.223,26.146 14.164,26.205 14.103,26.205 14.073,26.235 14.073,26.475 14.103,26.505 14.343,26.505 14.373,26.535 14.373,26.775 14.343,26.805 14.103,26.805 14.073,26.835 14.073,27.075 14.103,27.105 14.343,27.105 14.373,27.135 14.373,27.375 14.343,27.405 14.103,27.405 14.073,27.435 14.073,27.675 14.103,27.705 14.343,27.705 14.373,27.735 14.373,27.975 14.343,28.005 14.103,28.005 14.073,28.035 14.073,28.275 14.103,28.305 14.343,28.305 14.373,28.335 14.373,28.575 14.343,28.605 14.103,28.605 14.073,28.635 14.073,28.875 14.103,28.905 14.164,28.905 14.223,28.964 14.223,29.077 14.223,30.027 v1(13.823,30.427)
  L6 (Sig) w0.1: v1(13.823,14.127) 14.223,13.727 14.223,13 14.223,12.95 14.281,12.891 14.343,12.891 14.373,12.861 14.373,12.621 14.343,12.591 13.991,12.591 13.961,12.561 13.961,12.321 13.991,12.291 14.343,12.291 14.373,12.261 14.373,12.021 14.343,11.991 13.991,11.991 13.961,11.961 13.961,11.721 13.991,11.691 14.164,11.691 14.223,11.633 14.223,11.46 14.223,11.277 15.123,10.377 15.441,10.377 15.491,10.377 15.55,10.436 15.55,10.532 15.595,10.577 15.805,10.577 15.85,10.532 15.85,10.222 15.895,10.177 16.105,10.177 16.15,10.222 16.15,10.532 16.195,10.577 16.405,10.577 16.45,10.532 16.45,10.222 16.495,10.177 16.705,10.177 16.75,10.222 16.75,10.532 16.795,10.577 17.005,10.577 17.05,10.532 17.05,10.222 17.095,10.177 17.305,10.177 17.35,10.222 17.35,10.532 17.395,10.577 17.605,10.577 17.65,10.532 17.65,10.222 17.695,10.177 17.905,10.177 17.95,10.222 17.95,10.532 17.995,10.577 18.205,10.577 18.25,10.532 18.25,10.222 18.295,10.177 18.505,10.177 18.55,10.222 18.55,10.532 18.595,10.577 18.805,10.577 18.85,10.532 18.85,10.222 18.895,10.177 19.105,10.177 19.15,10.222 19.15,10.532 19.195,10.577 19.405,10.577 19.45,10.532 19.45,10.222 19.495,10.177 19.705,10.177 19.75,10.222 19.75,10.532 19.795,10.577 20.005,10.577 20.05,10.532 20.05,10.222 20.095,10.177 20.305,10.177 20.35,10.222 20.35,10.532 20.395,10.577 20.605,10.577 20.65,10.532 20.65,10.222 20.695,10.177 20.905,10.177 20.95,10.222 20.95,10.532 20.995,10.577 21.205,10.577 21.25,10.532 21.25,10.222 21.295,10.177 21.505,10.177 21.55,10.222 21.55,10.532 21.595,10.577 21.805,10.577 21.85,10.532 21.85,10.222 21.895,10.177 22.105,10.177 22.15,10.222 22.15,10.532 22.195,10.577 22.405,10.577 22.45,10.532 22.45,10.222 22.495,10.177 22.705,10.177 22.75,10.222 22.75,10.532 22.795,10.577 23.005,10.577 23.05,10.532 23.05,10.222 23.095,10.177 23.305,10.177 23.35,10.222 23.35,10.532 23.395,10.577 23.605,10.577 23.65,10.532 23.65,10.222 23.695,10.177 23.905,10.177 23.95,10.222 23.95,10.532 23.995,10.577 24.205,10.577 24.25,10.532 24.25,10.222 24.295,10.177 24.505,10.177 24.55,10.222 24.55,10.532 24.595,10.577 24.805,10.577 24.85,10.532 24.85,10.222 24.895,10.177 25.105,10.177 25.15,10.222 25.15,10.532 25.195,10.577 25.405,10.577 25.45,10.532 25.45,10.222 25.495,10.177 25.705,10.177 25.75,10.222 25.75,10.532 25.795,10.577 26.005,10.577 26.05,10.532 26.05,10.222 26.095,10.177 26.305,10.177 26.35,10.222 26.35,10.532 26.395,10.577 26.605,10.577 26.65,10.532 26.65,10.222 26.695,10.177 26.905,10.177 26.95,10.222 26.95,10.532 26.995,10.577 27.205,10.577 27.25,10.532 27.25,10.222 27.295,10.177 27.505,10.177 27.55,10.222 27.55,10.532 27.595,10.577 27.805,10.577 27.85,10.532 27.85,10.222 27.895,10.177 28.105,10.177 28.15,10.222 28.15,10.532 28.195,10.577 28.405,10.577 28.45,10.532 28.45,10.222 28.495,10.177 28.705,10.177 28.75,10.222 28.75,10.532 28.795,10.577 29.005,10.577 29.05,10.532 29.05,10.222 29.095,10.177 29.305,10.177 29.35,10.222 29.35,10.532 29.395,10.577 29.605,10.577 29.65,10.532 29.65,10.222 29.695,10.177 29.905,10.177 29.95,10.222 29.95,10.532 29.995,10.577 30.205,10.577 30.25,10.532 30.25,10.222 30.295,10.177 30.505,10.177 30.55,10.222 30.55,10.532 30.595,10.577 30.805,10.577 30.85,10.532 30.85,10.222 30.895,10.177 31.105,10.177 31.15,10.222 31.15,10.532 31.195,10.577 31.405,10.577 31.45,10.532 31.45,10.222 31.495,10.177 31.705,10.177 31.75,10.222 31.75,10.319 31.809,10.377 32.123,10.377 32.357,10.377 32.923,10.943 32.923,20.519 32.981,20.577 34.423,20.577 34.923,21.077 34.923,21.577 35.523,22.177 v1(36.123,22.177)
  L8 (Sig) w0.1: R715.1@5.38,27 8.8,27 12.227,30.427 v1(13.823,30.427)
DDR_A7: R716.1 U300.K4 U800.R2 U801.R2 | length 83.4
  L1 (Sig) w0.1: v1(11.823,35.677) 11.838,35.662 13.388,35.662 U800.R2@13.823,35.227 ; v1(11.923,19.277) 11.938,19.292 13.458,19.292 U801.R2@13.823,18.927
  L4 (Sig) w0.1: v1(11.823,35.677) 11.823,35.61 11.853,35.58 11.923,35.51 11.923,35.044 11.864,34.986 11.606,34.986 11.576,34.956 11.576,34.716 11.606,34.686 11.948,34.686 11.978,34.656 11.978,34.416 11.948,34.386 11.606,34.386 11.576,34.356 11.576,34.116 11.606,34.086 11.864,34.086 11.923,34.027 11.923,33.977 11.923,31.784 11.923,31.247 11.864,31.188 11.508,31.188 11.478,31.158 11.478,30.918 11.508,30.888 11.864,30.888 11.923,30.83 11.923,30.78 v1(11.923,19.277)
  L6 (Sig) w0.1: v1(11.923,19.277) 11.923,21.492 11.923,21.542 11.864,21.6 11.568,21.6 11.523,21.645 11.523,21.855 11.568,21.9 11.895,21.9 11.94,21.945 11.94,22.155 11.895,22.2 11.568,22.2 11.523,22.245 11.523,22.455 11.568,22.5 11.895,22.5 11.94,22.545 11.94,22.755 11.895,22.8 11.568,22.8 11.523,22.845 11.523,23.055 11.568,23.1 11.895,23.1 11.94,23.145 11.94,23.355 11.895,23.4 11.568,23.4 11.523,23.445 11.523,23.655 11.568,23.7 11.864,23.7 11.923,23.759 11.923,23.877 11.923,24.177 12.023,24.277 12.25,24.277 12.3,24.277 12.359,24.336 12.359,24.632 12.404,24.677 12.614,24.677 12.659,24.632 12.659,24.314 12.704,24.269 12.914,24.269 12.959,24.314 12.959,24.632 13.004,24.677 13.214,24.677 13.259,24.632 13.259,24.314 13.304,24.269 13.514,24.269 13.559,24.314 13.559,24.632 13.604,24.677 13.814,24.677 13.859,24.632 13.859,24.314 13.904,24.269 14.114,24.269 14.159,24.314 14.159,24.632 14.204,24.677 14.414,24.677 14.459,24.632 14.459,24.314 14.504,24.269 14.714,24.269 14.759,24.314 14.759,24.632 14.804,24.677 15.014,24.677 15.059,24.632 15.059,24.314 15.104,24.269 15.314,24.269 15.359,24.314 15.359,24.632 15.404,24.677 15.614,24.677 15.659,24.632 15.659,24.314 15.704,24.269 15.914,24.269 15.959,24.314 15.959,24.632 16.004,24.677 16.214,24.677 16.259,24.632 16.259,24.314 16.304,24.269 16.514,24.269 16.559,24.314 16.559,24.632 16.604,24.677 16.814,24.677 16.859,24.632 16.859,24.314 16.904,24.269 17.114,24.269 17.159,24.314 17.159,24.632 17.204,24.677 17.414,24.677 17.459,24.632 17.459,24.314 17.504,24.269 17.714,24.269 17.759,24.314 17.759,24.632 17.804,24.677 18.014,24.677 18.059,24.632 18.059,24.314 18.104,24.269 18.314,24.269 18.359,24.314 18.359,24.632 18.404,24.677 18.614,24.677 18.659,24.632 18.659,24.314 18.704,24.269 18.914,24.269 18.959,24.314 18.959,24.632 19.004,24.677 19.214,24.677 19.259,24.632 19.259,24.314 19.304,24.269 19.514,24.269 19.559,24.314 19.559,24.632 19.604,24.677 19.814,24.677 19.859,24.632 19.859,24.314 19.904,24.269 20.114,24.269 20.159,24.314 20.159,24.632 20.204,24.677 20.414,24.677 20.459,24.632 20.459,24.314 20.504,24.269 20.714,24.269 20.759,24.314 20.759,24.632 20.804,24.677 21.014,24.677 21.059,24.632 21.059,24.314 21.104,24.269 21.314,24.269 21.359,24.314 21.359,24.632 21.404,24.677 21.614,24.677 21.659,24.632 21.659,24.314 21.704,24.269 21.914,24.269 21.959,24.314 21.959,24.632 22.004,24.677 22.214,24.677 22.259,24.632 22.259,24.314 22.304,24.269 22.514,24.269 22.559,24.314 22.559,24.632 22.604,24.677 22.814,24.677 22.859,24.632 22.859,24.314 22.904,24.269 23.114,24.269 23.159,24.314 23.159,24.632 23.204,24.677 23.414,24.677 23.459,24.632 23.459,24.314 23.504,24.269 23.714,24.269 23.759,24.314 23.759,24.632 23.804,24.677 24.014,24.677 24.059,24.632 24.059,24.314 24.104,24.269 24.314,24.269 24.359,24.314 24.359,24.632 24.404,24.677 24.614,24.677 24.659,24.632 24.659,24.314 24.704,24.269 24.914,24.269 24.959,24.314 24.959,24.632 25.004,24.677 25.214,24.677 25.259,24.632 25.259,24.314 25.304,24.269 25.514,24.269 25.559,24.314 25.559,24.632 25.604,24.677 25.814,24.677 25.859,24.632 25.859,24.336 25.917,24.277 26.023,24.277 26.423,24.277 26.503,24.357 26.538,24.392 26.538,24.475 26.328,24.685 26.328,24.749 26.477,24.897 26.541,24.897 26.786,24.651 26.85,24.651 26.999,24.8 26.999,24.863 26.753,25.109 26.753,25.173 26.901,25.321 26.965,25.321 27.174,25.112 27.257,25.112 27.423,25.277 27.518,25.277 27.593,25.277 27.643,25.277 27.701,25.336 27.701,25.632 27.746,25.677 27.956,25.677 28.001,25.632 28.001,25.304 28.046,25.259 28.256,25.259 28.301,25.304 28.301,25.632 28.346,25.677 28.556,25.677 28.601,25.632 28.601,25.304 28.646,25.259 28.856,25.259 28.901,25.304 28.901,25.632 28.946,25.677 29.156,25.677 29.201,25.632 29.201,25.304 29.246,25.259 29.456,25.259 29.501,25.304 29.501,25.632 29.546,25.677 29.756,25.677 29.801,25.632 29.801,25.304 29.846,25.259 30.056,25.259 30.101,25.304 30.101,25.632 30.146,25.677 30.356,25.677 30.401,25.632 30.401,25.304 30.446,25.259 30.656,25.259 30.701,25.304 30.701,25.632 30.746,25.677 30.956,25.677 31.001,25.632 31.001,25.304 31.046,25.259 31.256,25.259 31.301,25.304 31.301,25.632 31.346,25.677 31.556,25.677 31.601,25.632 31.601,25.304 31.646,25.259 31.856,25.259 31.901,25.304 31.901,25.632 31.946,25.677 32.156,25.677 32.201,25.632 32.201,25.304 32.246,25.259 32.456,25.259 32.501,25.304 32.501,25.632 32.546,25.677 32.756,25.677 32.801,25.632 32.801,25.304 32.846,25.259 33.056,25.259 33.101,25.304 33.101,25.632 33.146,25.677 33.356,25.677 33.401,25.632 33.401,25.336 33.46,25.277 33.711,25.277 35.423,25.277 v1(35.723,24.977)
  L8 (Sig) w0.1: R716.1@11.75,39.06 11.823,38.987 v1(11.823,35.677)